# Altium PCB PCB2.PcbDoc
Units mm, origin at the board's own origin, x right, y up, seen from the top; angles counter-clockwise.
Board outline 77.85 x 94.11 mm, 2 copper layers (Top Layer, Bottom Layer); 40 components, 18 nets, 308 pads, 24 vias.
Unrouted connection lines stored in the file: 3.
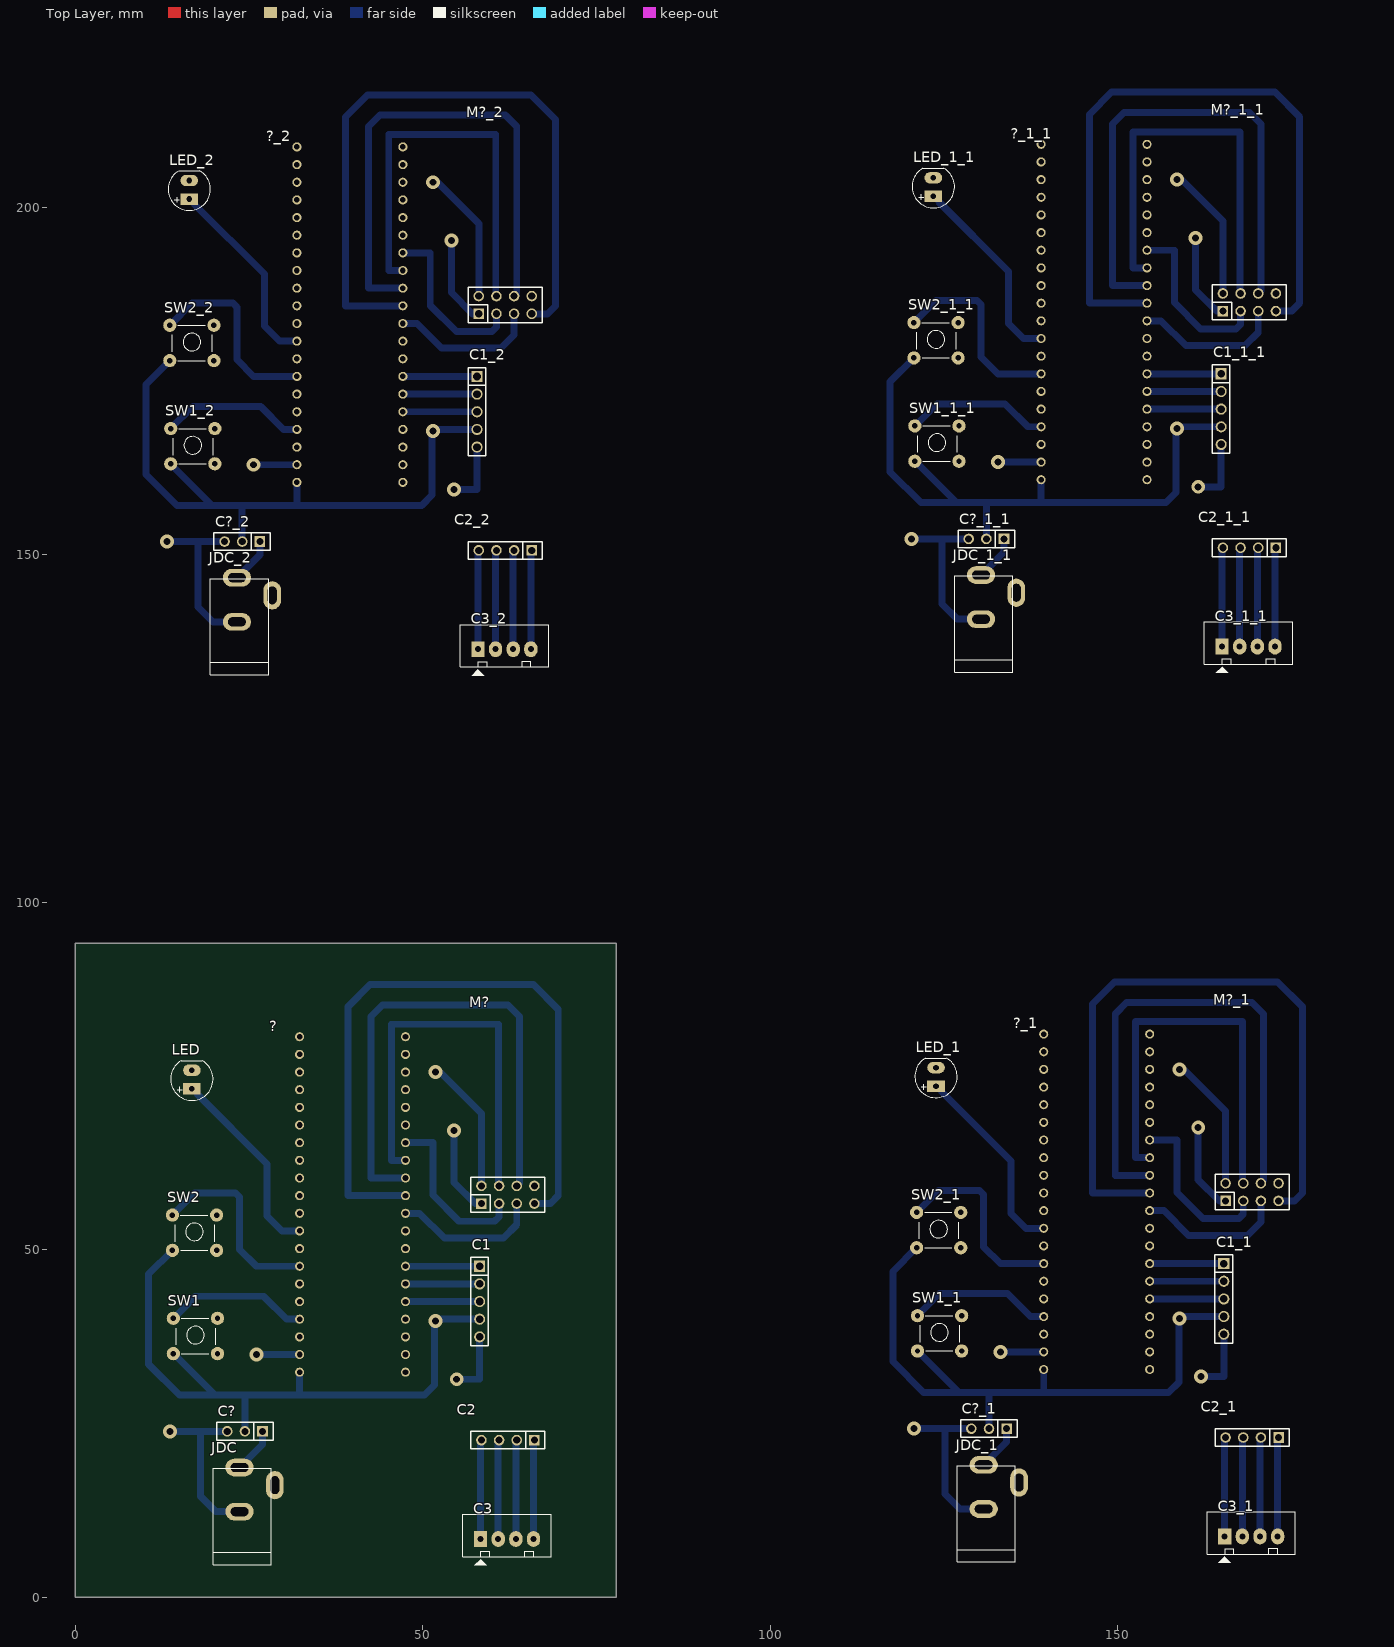
[diagram p0: Top Layer view]
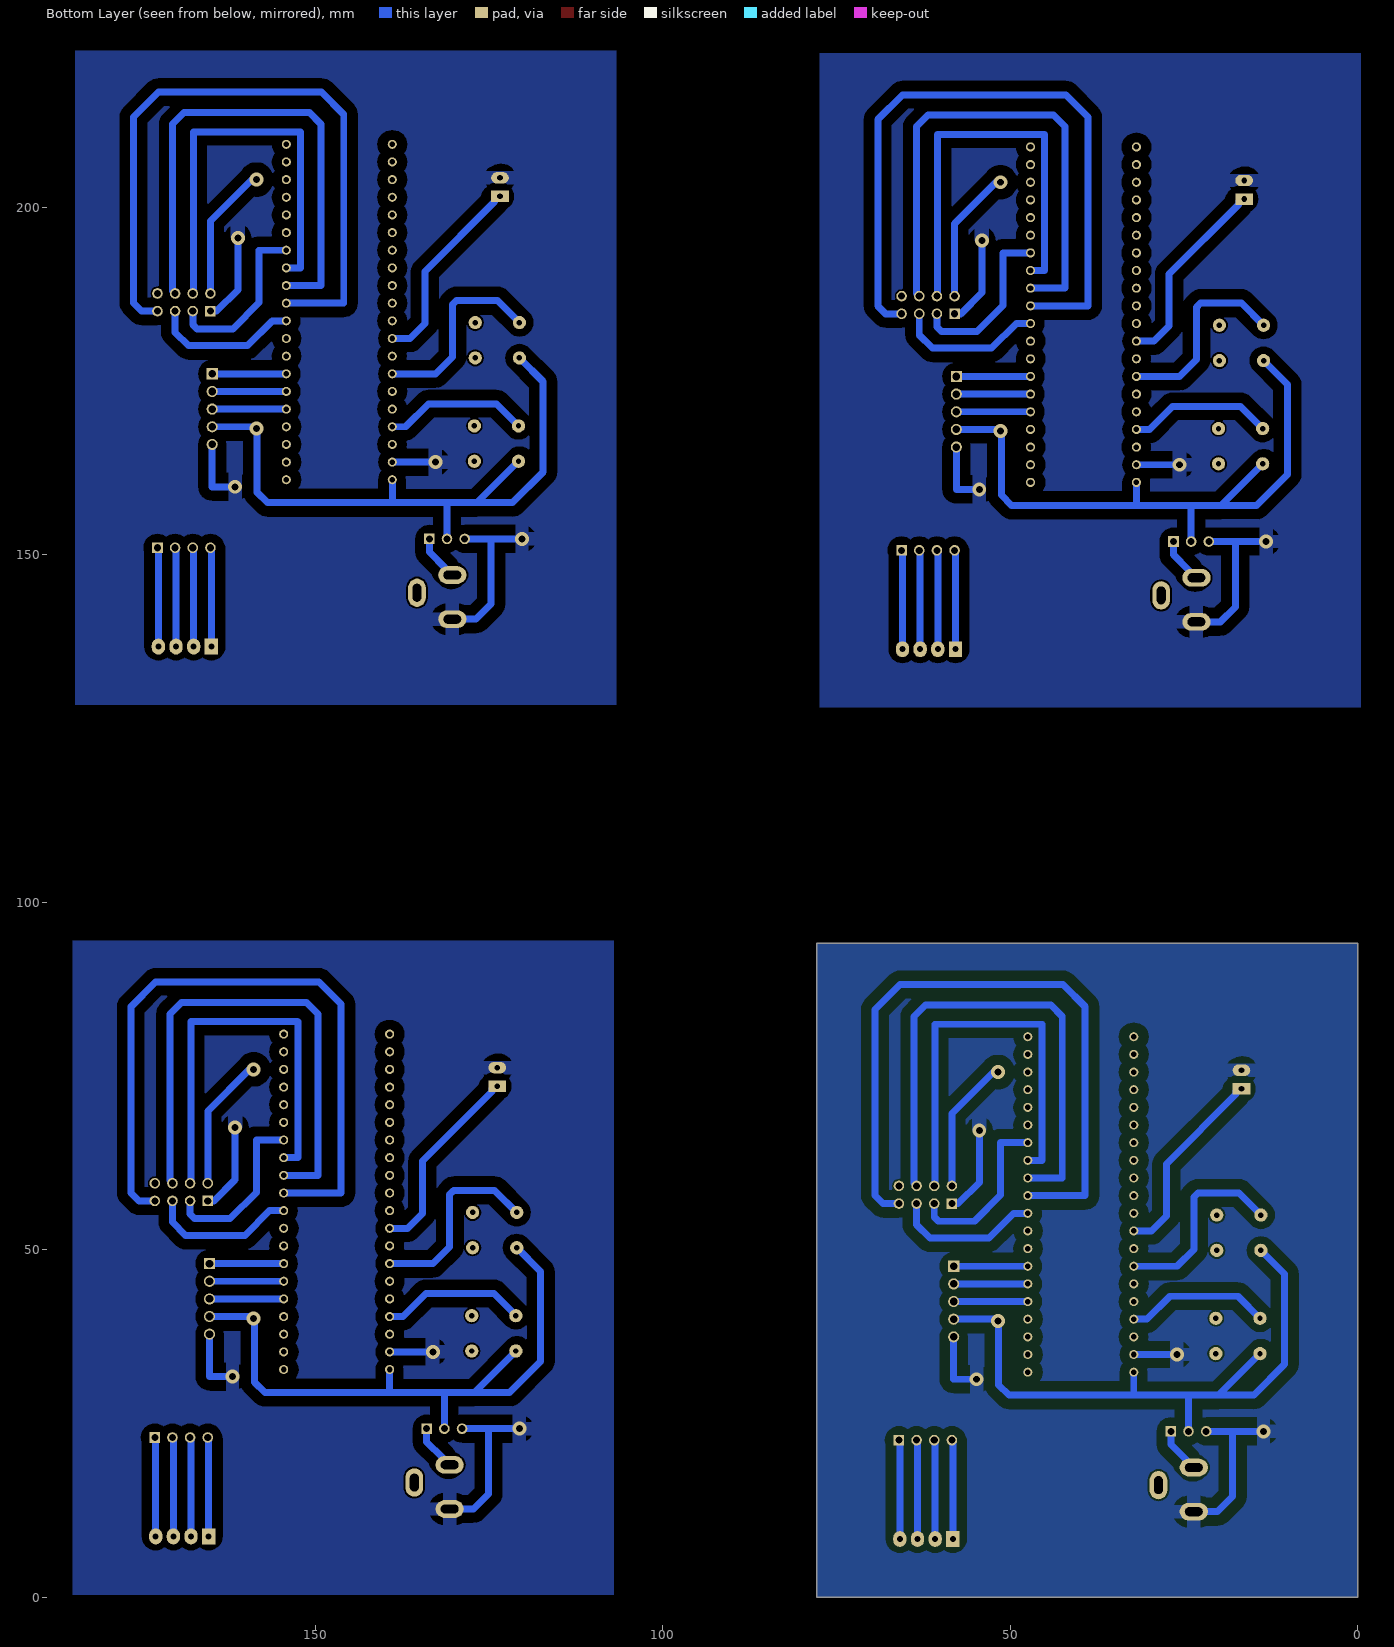
[diagram p1: Bottom Layer view, seen from below]

## Layer stack, top to bottom
Top Solder: solder mask 0.0102, Solder Resist, Dk 3.5
Top Layer: signal copper 0.0356
Dielectric 1: dielectric 0.32, FR-4, Dk 4.8
Bottom Layer: signal copper 0.0356
Bottom Solder: solder mask 0.0102, Solder Resist, Dk 3.5

## Board outline
0,0 77.851,0 77.851,94.107 0,94.107

## Design rules (kind name [scope] priority, off if disabled: settings)
Clearance Clearance_9 [InNamedPolygon('Bottom Layer-No Net')] p1: gap=0.254 ignorepadtopadclearanceinfootprint=FALSE except(0: Arc-Hole Track-Hole SMDPad-Hole THPad-Hole Via-Hole Fill-Hole Poly-Hole Region-Hole Text-Hole; 1.5: Arc-Fill Arc-Poly Arc-Region Track-Fill Track-Poly Track-Region Via-Fill Via-Poly Via-Region Fill-Fill Fill-Poly Fill-Region Poly-Poly Poly-Region Region-Region)
Clearance Clearance_8 [InNamedPolygon('Bottom Layer-No Net')] p2: gap=0.254 ignorepadtopadclearanceinfootprint=FALSE except(0: Arc-Hole Track-Hole SMDPad-Hole THPad-Hole Via-Hole Fill-Hole Poly-Hole Region-Hole Text-Hole; 1.5: Arc-Fill Arc-Poly Arc-Region Track-Fill Track-Poly Track-Region Via-Fill Via-Poly Via-Region Fill-Fill Fill-Poly Fill-Region Poly-Poly Poly-Region Region-Region)
Clearance Clearance_7 [InNamedPolygon('Bottom Layer-No Net')] p3: gap=0.254 ignorepadtopadclearanceinfootprint=FALSE except(0: Arc-Hole Track-Hole SMDPad-Hole THPad-Hole Via-Hole Fill-Hole Poly-Hole Region-Hole Text-Hole; 1.2: Arc-Fill Arc-Poly Arc-Region Track-Fill Track-Poly Track-Region Via-Fill Via-Poly Via-Region Fill-Fill Fill-Poly Fill-Region Poly-Poly Poly-Region Region-Region)
Clearance Clearance_6 [InNamedPolygon('Bottom Layer-No Net')] p4: gap=0.254 ignorepadtopadclearanceinfootprint=FALSE except(0: Arc-Hole Track-Hole SMDPad-Hole THPad-Hole Via-Hole Fill-Hole Poly-Hole Region-Hole Text-Hole; 1.2: Arc-Fill Arc-Poly Arc-Region Track-Fill Track-Poly Track-Region Via-Fill Via-Poly Via-Region Fill-Fill Fill-Poly Fill-Region Poly-Poly Poly-Region Region-Region)
Clearance Clearance_5 [InNamedPolygon('Bottom Layer-No Net')] p5: gap=0.254 ignorepadtopadclearanceinfootprint=FALSE except(0: Arc-Hole Track-Hole SMDPad-Hole THPad-Hole Via-Hole Fill-Hole Poly-Hole Region-Hole Text-Hole; 1: Arc-Fill Arc-Poly Arc-Region Track-Fill Track-Poly Track-Region Via-Fill Via-Poly Via-Region Fill-Fill Fill-Poly Fill-Region Poly-Poly Poly-Region Region-Region)
Clearance Clearance_4 [InNamedPolygon('Bottom Layer-No Net')] p6: gap=0.254 ignorepadtopadclearanceinfootprint=FALSE except(0: Arc-Hole Track-Hole SMDPad-Hole THPad-Hole Via-Hole Fill-Hole Poly-Hole Region-Hole Text-Hole; 1: Arc-Fill Arc-Poly Arc-Region Track-Fill Track-Poly Track-Region Via-Fill Via-Poly Via-Region Fill-Fill Fill-Poly Fill-Region Poly-Poly Poly-Region Region-Region)
Clearance Clearance_3 [InNamedPolygon('Bottom Layer-No Net')] p7: gap=0.254 ignorepadtopadclearanceinfootprint=FALSE except(0: Arc-Hole Track-Hole SMDPad-Hole THPad-Hole Via-Hole Fill-Hole Poly-Hole Region-Hole Text-Hole; 0.7: Arc-Fill Arc-Poly Arc-Region Track-Fill Track-Poly Track-Region Via-Fill Via-Poly Via-Region Fill-Fill Fill-Poly Fill-Region Poly-Poly Poly-Region Region-Region)
Clearance Clearance_2 [InNamedPolygon('Bottom Layer-No Net')] p8: gap=0.254 ignorepadtopadclearanceinfootprint=FALSE except(0: Arc-Hole Track-Hole SMDPad-Hole THPad-Hole Via-Hole Fill-Hole Poly-Hole Region-Hole Text-Hole; 0.5: Arc-Fill Arc-Poly Arc-Region Track-Fill Track-Poly Track-Region Via-Fill Via-Poly Via-Region Fill-Fill Fill-Poly Fill-Region Poly-Poly Poly-Region Region-Region)
Clearance Clearance_1 [InNamedPolygon('Bottom Layer-No Net')] p9: gap=0.254 ignorepadtopadclearanceinfootprint=FALSE except(0: Arc-Hole Track-Hole SMDPad-Hole THPad-Hole Via-Hole Fill-Hole Poly-Hole Region-Hole Text-Hole; 0.5: Arc-Fill Arc-Poly Arc-Region Track-Fill Track-Poly Track-Region Via-Fill Via-Poly Via-Region Fill-Fill Fill-Poly Fill-Region Poly-Poly Poly-Region Region-Region)
Clearance [All] p10: gap=0.254 ignorepadtopadclearanceinfootprint=FALSE except(0: Arc-Hole Track-Hole SMDPad-Hole THPad-Hole Via-Hole Fill-Hole Poly-Hole Region-Hole Text-Hole)
PolygonConnect PolygonConnect_6 [All vs IsNamedPolygon('Bottom Layer-No Net')] p1: connectstyle=Relief reliefconductorwidth=2 reliefentries=4 polygonreliefangle="90 Angle" airgapwidth=1
PolygonConnect PolygonConnect_5 [All vs IsNamedPolygon('Bottom Layer-No Net')] p2: connectstyle=Relief reliefconductorwidth=2 reliefentries=4 polygonreliefangle="90 Angle" airgapwidth=1
PolygonConnect PolygonConnect_4 [All vs IsNamedPolygon('Bottom Layer-No Net')] p3: connectstyle=Relief reliefconductorwidth=2 reliefentries=4 polygonreliefangle="90 Angle" airgapwidth=1
PolygonConnect PolygonConnect_3 [All vs IsNamedPolygon('Bottom Layer-No Net')] p4: connectstyle=Relief reliefconductorwidth=2 reliefentries=4 polygonreliefangle="90 Angle" airgapwidth=1
PolygonConnect PolygonConnect_2 [All vs IsNamedPolygon('Bottom Layer-No Net')] p5: connectstyle=Relief reliefconductorwidth=2 reliefentries=4 polygonreliefangle="90 Angle" airgapwidth=1
PolygonConnect PolygonConnect_1 [All vs IsNamedPolygon('Bottom Layer-No Net')] p6: connectstyle=Relief reliefconductorwidth=2 reliefentries=4 polygonreliefangle="90 Angle" airgapwidth=1
PolygonConnect [All] p7: connectstyle=Relief reliefconductorwidth=0.254 reliefentries=4 polygonreliefangle="90 Angle" airgapwidth=0.254
RoutingVias [All] p1: holewidth=0.711 width=1.27 viastyle="Through Hole" minholewidth=0.711 minwidth=1.27 maxholewidth=0.711 maxwidth=1.27
SolderMaskExpansion [All] p1: expansion=0.102
Width [All] p1: maxlimit=2 minlimit=0.254 preferedwidth=1 toplayer_maxwidth=0.254 toplayer_prefwidth=0.254 bottomlayer_minwidth=0.5 minimp=50.000000 maximp=50.000000 favimp=50.000000
30 further rules are at their usual default settings.

## Classes and differential pairs
component class Sheet2: ? C1 C2 C3 C? JDC LED M? SW1 SW2

## Components (designator, comment, footprint, x,y, rotation, side; value= is the part's Value field where it differs from the comment)
? "BLUE_PILL" BLUE_PILL 39.878,65.405 r0 top
?_1 "BLUE_PILL" BLUE_PILL 146.939,65.786 r0 top (schematic designator ?)
?_1_1 "BLUE_PILL" BLUE_PILL 146.558,193.802 r0 top (schematic designator ?)
?_2 "BLUE_PILL" BLUE_PILL 39.497,193.421 r0 top (schematic designator ?)
C1 "JP5" JP5-D1T 58.166,47.625 r270 top
C1_1 "JP5" JP5-D1T 165.227,48.006 r270 top (schematic designator C1)
C1_1_1 "JP5" JP5-D1T 164.846,176.022 r270 top (schematic designator C1)
C1_2 "JP5" JP5-D1T 57.785,175.641 r270 top (schematic designator C1)
C2 "JP4" JP4-C1T 66.04,22.606 r180 top
C2_1 "JP4" JP4-C1T 173.101,22.987 r180 top (schematic designator C2)
C2_1_1 "JP4" JP4-C1T 172.72,151.003 r180 top (schematic designator C2)
C2_2 "JP4" JP4-C1T 65.659,150.622 r180 top (schematic designator C2)
C3 "Header4" Header4 58.293,8.382 r0 top
C3_1 "Header4" Header4 165.354,8.763 r0 top (schematic designator C3)
C3_1_1 "Header4" Header4 164.973,136.779 r0 top (schematic designator C3)
C3_2 "Header4" Header4 57.912,136.398 r0 top (schematic designator C3)
C? "JP3" JP3-C1T 26.924,23.876 r180 top
C?_1 "JP3" JP3-C1T 133.985,24.257 r180 top (schematic designator C?)
C?_1_1 "JP3" JP3-C1T 133.604,152.273 r180 top (schematic designator C?)
C?_2 "JP3" JP3-C1T 26.543,151.892 r180 top (schematic designator C?)
JDC "Jac DC" DC0 26.162,15.494 r90 top
JDC_1 "Jac DC" DC0 133.223,15.875 r90 top (schematic designator JDC)
JDC_1_1 "Jac DC" DC0 132.842,143.891 r90 top (schematic designator JDC)
JDC_2 "Jac DC" DC0 25.781,143.51 r90 top (schematic designator JDC)
LED "LED" LED-5-Green 16.764,73.279 r90 top value="LED 3 ly Single Colour"
LED_1 "LED" LED-5-Green 123.825,73.66 r90 top value="LED 3 ly Single Colour" (schematic designator LED)
LED_1_1 "LED" LED-5-Green 123.444,201.676 r90 top value="LED 3 ly Single Colour" (schematic designator LED)
LED_2 "LED" LED-5-Green 16.383,201.295 r90 top value="LED 3 ly Single Colour" (schematic designator LED)
M? "NRF24L01" NRF24L01 62.23,57.912 r0 top
M?_1 "NRF24L01" NRF24L01 169.291,58.293 r0 top (schematic designator M?)
M?_1_1 "NRF24L01" NRF24L01 168.91,186.309 r0 top (schematic designator M?)
M?_2 "NRF24L01" NRF24L01 61.849,185.928 r0 top (schematic designator M?)
SW1 "SW" SW2-DIP 14.097,40.132 r0 top value="Button chip 4 pin"
SW1_1 "SW" SW2-DIP 121.158,40.513 r0 top value="Button chip 4 pin" (schematic designator SW1)
SW1_1_1 "SW" SW2-DIP 120.777,168.529 r0 top value="Button chip 4 pin" (schematic designator SW1)
SW1_2 "SW" SW2-DIP 13.716,168.148 r0 top value="Button chip 4 pin" (schematic designator SW1)
SW2 "SW" SW2-DIP 13.97,54.991 r0 top value="Button chip 4 pin"
SW2_1 "SW" SW2-DIP 121.031,55.372 r0 top value="Button chip 4 pin" (schematic designator SW2)
SW2_1_1 "SW" SW2-DIP 120.65,183.388 r0 top value="Button chip 4 pin" (schematic designator SW2)
SW2_2 "SW" SW2-DIP 13.589,183.007 r0 top value="Button chip 4 pin" (schematic designator SW2)

## Footprints (in the part's own frame and the unit in brackets; to place one, negate y for a bottom-side part, rotate by r counter-clockwise, add the part's x,y. Pads: shape width x height; smd on the part's side, far side on the other; paste and mask are expansions set on the pad)
BLUE_PILL [mil]
  round 51.5 / inner round 60 / far side round 51.5 hole 31.5: P$1(-300,600) P$2(-300,500) P$3(-300,400) P$4(-300,300) P$5(-300,200) P$6(-300,100) P$7(-300,0) P$8(-300,-100) P$9(-300,-200) P$10(-300,-300) P$11(-300,-400) P$12(-300,-500) P$13(-300,-600) P$14(-300,-700) P$15(-300,-800) P$16(-300,-900) P$17(-300,-1000) P$18(-300,-1100) P$19(-300,-1200) P$20(-300,-1300) P$21(300,600) P$22(300,500) P$23(300,400) P$24(300,300) P$25(300,200) P$26(300,100) P$27(300,0) P$28(300,-100) P$29(300,-200) P$30(300,-300) P$31(300,-400) P$32(300,-500) P$33(300,-600) P$34(300,-700) P$35(300,-800) P$36(300,-900) P$37(300,-1000) P$38(300,-1100) P$39(300,-1200) P$40(300,-1300)
DC0 [mil] "Jac DC input"
  oval 100x160 hole 50 slot 100 at 90 deg: 1(125,100) 2(-125,100)
  oval 160x100 hole 50 slot 100 at 0 deg: 3(25,-100)
  silkscreen extent -425,-80 120,250, body extent -410,-105 134,269, height 434
Header4 [mil] "CON4"
  rect 75x90 hole 34: 1(0,0)
  oval 75x90 hole 34: 2(100,0) 3(200,0) 4(300,0)
  silkscreen extent -100,-150 400,140, body extent -90,-90 398,136, height 276
JP3-C1T [mm] "3 row, straight, gold plating"
  rect 1.52x1.52 hole 1.02: 1(0,0)
  round 1.52 hole 1.02: 2(2.54,0) 3(5.08,0)
  silkscreen extent -1.52,-1.27 6.6,1.27, body extent -1.52,-1.25 6.6,1.25, height 8.51
JP4-C1T [mm] "4 row, straight, gold plating"
  rect 1.52x1.52 hole 1.02: 1(0,0)
  round 1.52 hole 1.02: 2(2.54,0) 3(5.08,0) 4(7.62,0)
  silkscreen extent -1.52,-1.27 9.14,1.27, body extent -1.52,-1.25 9.14,1.25, height 8.51
JP5-D1T [mm] "5 pins, 1 row, straight, gold plating"
  rect 1.6x1.6 hole 1.1: 1(0,0)
  round 1.6 hole 1.1: 2(2.54,0) 3(5.08,0) 4(7.62,0) 5(10.16,0)
  silkscreen extent -1.27,-1.27 11.43,1.27, body extent -1.27,-1.27 11.43,1.27, height 8.54
LED-5-Green [mil] "LED 2 PIN, 5 ly , Only colour,pin to pin 100mil"
  rect 65x100 hole 32: 1(-5,0)
  oval 65x100 hole 32: 2(100,0)
  silkscreen extent -70,-120 154,120, body extent -69,-120 145,117, height 339
NRF24L01 [mm]
  rect 1.52x1.52 hole 1.02: 1(-3.81,-1.27)
  round 1.52 hole 1.02: 2(-1.27,-1.27) 3(1.27,-1.27) 4(3.81,-1.27) 5(3.81,1.27) 6(1.27,1.27) 7(-1.27,1.27) 8(-3.81,1.27)
  silkscreen extent -5.33,-2.54 5.33,2.54, body extent -5.85,-2.79 9.15,26.21, height 15.4
SW2-DIP [mil] "SW button 4pin, 250 x250 mil"
  round 75 hole 31: 1(0,0) 2(0,-200) 3(250,-200) 4(250,0)
  silkscreen extent 15,-215 240,0, body extent -36,-220 276,24, height 276

## Part data
C1 C1_1 C1_1_1 C1_2: "WR-PHD 2.54 mm Angled Socket Header", Manufacturer="Würth Elektronik eiSos GmbH", partNo=613005143121, ComponentLink1 Description=Manufacturer, ComponentLink1URL=http://www.we-online.com, ComponentLink2 Description=Datasheet, ComponentLink2URL=http://katalog.we-online.de/em/datasheet/6130xx143121.pdf, Created by="Karrer Zheng", Created Date="29 March 2013", NoPins=05
C2 C2_1 C2_1_1 C2_2: "WR-PHD 2.54 mm Angled Socket Header", Manufacturer="Würth Elektronik eiSos GmbH", partNo=613004143121, ComponentLink1 Description=Manufacturer, ComponentLink1URL=http://www.we-online.com, ComponentLink2 Description=Datasheet, ComponentLink2URL=http://katalog.we-online.de/em/datasheet/6130xx143121.pdf, Created by="Karrer Zheng", Created Date="29 March 2013", NoPins=04
C3 C3_1 C3_1_1 C3_2: "Header IDC, 4 x 1 Pin Vertical 2.54mm Pitch (Non-Boxed, Male)", Manufacturer="Würth Elektronik eiSos GmbH", partNo=613002143121, ComponentLink1 Description=Manufacturer, ComponentLink1URL=http://www.we-online.com, ComponentLink2 Description=Datasheet, ComponentLink2URL=http://katalog.we-online.de/em/datasheet/6130xx143121.pdf, Created by="Karrer Zheng", Created Date="29 March 2013", NoPins=02
C? C?_1 C?_1_1 C?_2: "WR-PHD 2.54 mm Angled Socket Header", Manufacturer="Würth Elektronik eiSos GmbH", partNo=613003143121, ComponentLink1 Description=Manufacturer, ComponentLink1URL=http://www.we-online.com, ComponentLink2 Description=Datasheet, ComponentLink2URL=http://katalog.we-online.de/em/datasheet/6130xx143121.pdf, Created by="Karrer Zheng", Created Date="29 March 2013", NoPins=03
JDC JDC_1 JDC_1_1 JDC_2: library part DCIN, "Jac DC input"
LED LED_1 LED_1_1 LED_2: "LED Single colour Green and Red"
SW1 SW1_1 SW1_1_1 SW1_2 SW2 SW2_1 SW2_1_1 SW2_2: library part SW4, "Switch button 4 pin"
? ?_1 ?_1_1 ?_2: DeviceSetName=BLUE_PILL, GateName_1=G$1, LibraryName=BluePill, Package=BLUE_PILL, SymbolName_1=BLUE_PILL

## Via types
v1: diameter 2, hole 1, Top Layer to Bottom Layer, tented both sides, 24 vias

## Nets (pads, with @x,y where several pads share a name; then routed paths per layer and width w, separated by ;. In a path a pad name is that pad's centre, name@x,y a point inside that pad or via, vN(x,y) a via of type N, cw(c..) or ccw(c..) an arc to the next point about the centre after c; other vN are vias at no path point)
GND: ?.P$19 C1.5 C?.3 JDC.2 LED.2 M?.1 | length 52.7
  Bottom Layer w1: v1(13.589,23.876) 18.034,23.876 ; LED.2@16.496,75.819 LED.2 ; C?.3 18.034,23.876 ; JDC.2 20.193,12.319 18.034,14.478 18.034,23.876 ; v1(26.035,34.925) ?.P$19 ; v1(54.483,67.183) 54.483,59.69 57.531,56.642 M?.1 ; v1(54.864,31.369) 58.166,31.369 C1.5
Net?_P$12: ?.P$12 LED.1 | length 28.6
  Bottom Layer w1: LED.1 17.209,73.152 17.534,72.827 17.534,72.382 27.559,62.357 27.559,54.864 29.718,52.705 ?.P$12
Net?_P$14: ?.P$14 SW2.1 | length 28.4
  Bottom Layer w1: SW2.1 17.145,58.166 23.036,58.166 23.622,57.58 23.622,50.038 26.035,47.625 ?.P$14
Net?_P$17: ?.P$17 SW1.1 | length 20.8
  Bottom Layer w1: SW1.1 17.272,43.307 27.051,43.307 30.353,40.005 ?.P$17
Net?_P$20: ?.P$20 C1.4 C?.2 M?.8 SW1.2 SW2.2 | length 114
  Bottom Layer w1: SW1.2@13.934,35.215 SW1.2 20.066,29.083 ; SW2.2 10.541,46.482 10.541,33.528 14.986,29.083 20.066,29.083 ; C?.2 24.384,29.083 ; ?.P$20 32.258,29.083 ; v1(51.816,75.565) 52.451,75.565 58.42,69.596 M?.8 ; C1.4 51.689,40.005 51.689,30.558 50.214,29.083 32.258,29.083 ; 20.066,29.083 24.384,29.083 ; 24.384,29.083 32.258,29.083
  other v1: 51.816,39.751
Net?_P$27: ?.P$27 M?.2 | length 24.7
  Bottom Layer w1: ?.P$27 51.435,65.405 51.435,57.863 55.196,54.102 60.325,54.102 60.96,54.737 M?.2
Net?_P$28: ?.P$28 M?.7 | length 60.3
  Bottom Layer w1: ?.P$28 45.466,62.865 45.466,82.423 45.488,82.445 60.861,82.445 60.861,59.281 M?.7
Net?_P$29: ?.P$29 M?.6 | length 75.4
  Bottom Layer w1: ?.P$29 42.545,60.325 42.545,83.566 44.196,85.217 62.23,85.217 63.881,83.566 63.881,59.563 M?.6
Net?_P$30: ?.P$30 M?.4 | length 99.1
  Bottom Layer w1: ?.P$30 39.243,57.785 39.243,84.963 42.418,88.138 65.913,88.138 69.469,84.582 69.469,57.785 68.326,56.642 M?.4
Net?_P$31: ?.P$31 M?.3 | length 21.3
  Bottom Layer w1: ?.P$31 49.53,55.245 53.086,51.689 61.595,51.689 63.5,53.594 M?.3
Net?_P$34: ?.P$34 C1.1 | length 10.7
  Bottom Layer w1: ?.P$34 C1.1
Net?_P$35: ?.P$35 C1.2 | length 10.7
  Bottom Layer w1: ?.P$35 C1.2
Net?_P$36: ?.P$36 C1.3 | length 10.7
  Bottom Layer w1: ?.P$36 C1.3
NetC2_1: C2.1 C3.4 | length 14.3
  Bottom Layer w1: C3.4 65.913,22.479 C2.1
NetC2_2: C2.2 C3.3 | length 14.3
  Bottom Layer w1: C3.3 63.373,22.338 63.5,22.465 C2.2
NetC2_3: C2.3 C3.2 | length 14.3
  Bottom Layer w1: C3.2 60.833,22.338 60.96,22.465 C2.3
NetC2_4: C2.4 C3.1 | length 14.3
  Bottom Layer w1: C3.1 58.293,22.338 58.42,22.465 C2.4
NetC?_1: C?.1 JDC.1 | length 6.8
  Bottom Layer w1: JDC.1 23.967,18.669 24.679,19.38 24.679,19.726 26.924,21.971 C?.1
pads on no net: ?.P$1 ?.P$2 ?.P$3 ?.P$4 ?.P$5 ?.P$6 ?.P$7 ?.P$8 ?.P$9 ?.P$10 ?.P$11 ?.P$13 ?.P$15 ?.P$16 ?.P$18 ?.P$21 ?.P$22 ?.P$23 ?.P$24 ?.P$25 ?.P$26 ?.P$32 ?.P$33 ?.P$37 ?.P$38 ?.P$39 ?.P$40 ?_1.P$1 ?_1.P$2 ?_1.P$3 ?_1.P$4 ?_1.P$5 ?_1.P$6 ?_1.P$7 ?_1.P$8 ?_1.P$9 ?_1.P$10 ?_1.P$11 ?_1.P$12 ?_1.P$13 ?_1.P$14 ?_1.P$15 ?_1.P$16 ?_1.P$17 ?_1.P$18 ?_1.P$19 ?_1.P$20 ?_1.P$21 ?_1.P$22 ?_1.P$23 ?_1.P$24 ?_1.P$25 ?_1.P$26 ?_1.P$27 ?_1.P$28 ?_1.P$29 ?_1.P$30 ?_1.P$31 ?_1.P$32 ?_1.P$33 ?_1.P$34 ?_1.P$35 ?_1.P$36 ?_1.P$37 ?_1.P$38 ?_1.P$39 ?_1.P$40 ?_1_1.P$1 ?_1_1.P$2 ?_1_1.P$3 ?_1_1.P$4 ?_1_1.P$5 ?_1_1.P$6 ?_1_1.P$7 ?_1_1.P$8 ?_1_1.P$9 ?_1_1.P$10 ?_1_1.P$11 ?_1_1.P$12 ?_1_1.P$13 ?_1_1.P$14 ?_1_1.P$15 ?_1_1.P$16 ?_1_1.P$17 ?_1_1.P$18 ?_1_1.P$19 ?_1_1.P$20 ?_1_1.P$21 ?_1_1.P$22 ?_1_1.P$23 ?_1_1.P$24 ?_1_1.P$25 ?_1_1.P$26 ?_1_1.P$27 ?_1_1.P$28 ?_1_1.P$29 ?_1_1.P$30 ?_1_1.P$31 ?_1_1.P$32 ?_1_1.P$33 ?_1_1.P$34 ?_1_1.P$35 ?_1_1.P$36 ?_1_1.P$37 ?_1_1.P$38 ?_1_1.P$39 ?_1_1.P$40 ?_2.P$1 ?_2.P$2 ?_2.P$3 ?_2.P$4 ?_2.P$5 ?_2.P$6 ?_2.P$7 ?_2.P$8 ?_2.P$9 ?_2.P$10 ?_2.P$11 ?_2.P$12 ?_2.P$13 ?_2.P$14 ?_2.P$15 ?_2.P$16 ?_2.P$17 ?_2.P$18 ?_2.P$19 ?_2.P$20 ?_2.P$21 ?_2.P$22 ?_2.P$23 ?_2.P$24 ?_2.P$25 ?_2.P$26 ?_2.P$27 ?_2.P$28 ?_2.P$29 ?_2.P$30 ?_2.P$31 ?_2.P$32 ?_2.P$33 ?_2.P$34 ?_2.P$35 ?_2.P$36 ?_2.P$37 ?_2.P$38 ?_2.P$39 ?_2.P$40 C1_1.1 C1_1.2 C1_1.3 C1_1.4 C1_1.5 C1_1_1.1 C1_1_1.2 C1_1_1.3 C1_1_1.4 C1_1_1.5 C1_2.1 C1_2.2 C1_2.3 C1_2.4 C1_2.5 C2_1.1 C2_1.2 C2_1.3 C2_1.4 C2_1_1.1 C2_1_1.2 C2_1_1.3 C2_1_1.4 C2_2.1 C2_2.2 C2_2.3 C2_2.4 C3_1.1 C3_1.2 C3_1.3 C3_1.4 C3_1_1.1 C3_1_1.2 C3_1_1.3 C3_1_1.4 C3_2.1 C3_2.2 C3_2.3 C3_2.4 C?_1.1 C?_1.2 C?_1.3 C?_1_1.1 C?_1_1.2 C?_1_1.3 C?_2.1 C?_2.2 C?_2.3 JDC.3 JDC_1.1 JDC_1.2 JDC_1.3 JDC_1_1.1 JDC_1_1.2 JDC_1_1.3 JDC_2.1 JDC_2.2 JDC_2.3 LED_1.1 LED_1.2 LED_1_1.1 LED_1_1.2 LED_2.1 LED_2.2 M?.5 M?_1.1 M?_1.2 M?_1.3 M?_1.4 M?_1.5 M?_1.6 M?_1.7 M?_1.8 M?_1_1.1 M?_1_1.2 M?_1_1.3 M?_1_1.4 M?_1_1.5 M?_1_1.6 M?_1_1.7 M?_1_1.8 M?_2.1 M?_2.2 M?_2.3 M?_2.4 M?_2.5 M?_2.6 M?_2.7 M?_2.8 SW1.3 SW1.4 SW1_1.1 SW1_1.2 SW1_1.3 SW1_1.4 SW1_1_1.1 SW1_1_1.2 SW1_1_1.3 SW1_1_1.4 SW1_2.1 SW1_2.2 SW1_2.3 SW1_2.4 SW2.3 SW2.4 SW2_1.1 SW2_1.2 SW2_1.3 SW2_1.4 SW2_1_1.1 SW2_1_1.2 SW2_1_1.3 SW2_1_1.4 SW2_2.1 SW2_2.2 SW2_2.3 SW2_2.4
copper on no net: | length 1891.6
  Bottom Layer w1: v1(13.208,151.892) 17.653,151.892 ; 13.553,163.231 13.716,163.068 19.685,157.099 ; 13.589,177.927 10.16,174.498 10.16,161.544 14.605,157.099 19.685,157.099 ; 13.589,183.007 16.764,186.182 22.655,186.182 23.241,185.596 23.241,178.054 25.654,175.641 31.877,175.641 ; 13.716,168.148 16.891,171.323 26.67,171.323 29.972,168.021 31.877,168.021 ; 16.115,203.835 16.383,203.835 ; 16.383,201.168 16.828,201.168 17.153,200.843 17.153,200.398 27.178,190.373 27.178,182.88 29.337,180.721 31.877,180.721 ; 21.463,151.892 17.653,151.892 ; 23.241,140.335 19.812,140.335 17.653,142.494 17.653,151.892 ; 23.241,146.685 23.586,146.685 24.298,147.396 24.298,147.742 26.543,149.987 26.543,151.892 ; 24.003,151.892 24.003,157.099 ; v1(25.654,162.941) 31.877,162.941 ; 31.75,165.481 32.004,165.481 ; 31.75,170.561 32.004,170.561 ; 31.75,173.101 32.004,173.101 ; 31.75,178.181 32.004,178.181 ; 31.75,183.261 32.004,183.261 ; 31.75,185.801 32.004,185.801 ; 31.75,188.341 32.004,188.341 ; 31.75,190.881 32.004,190.881 ; 31.75,193.421 32.004,193.421 ; 31.75,195.961 32.004,195.961 ; 31.75,198.501 32.004,198.501 ; 31.75,201.041 32.004,201.041 ; 31.75,203.581 32.004,203.581 ; 31.75,206.121 32.004,206.121 ; 31.75,208.661 32.004,208.661 ; 31.877,160.401 31.877,157.099 ; 32.131,37.465 32.385,37.465 ; 32.131,42.545 32.385,42.545 ; 32.131,45.085 32.385,45.085 ; 32.131,50.165 32.385,50.165 ; 32.131,55.245 32.385,55.245 ; 32.131,57.785 32.385,57.785 ; 32.131,60.325 32.385,60.325 ; 32.131,62.865 32.385,62.865 ; 32.131,65.405 32.385,65.405 ; 32.131,67.945 32.385,67.945 ; 32.131,70.485 32.385,70.485 ; 32.131,73.025 32.385,73.025 ; 32.131,75.565 32.385,75.565 ; 32.131,78.105 32.385,78.105 ; 32.131,80.645 32.385,80.645 ; 46.99,160.401 47.244,160.401 ; 46.99,162.941 47.244,162.941 ; 46.99,165.481 47.244,165.481 ; 46.99,168.021 47.244,168.021 ; 46.99,178.181 47.244,178.181 ; 46.99,180.721 47.244,180.721 ; 46.99,195.961 47.244,195.961 ; 46.99,198.501 47.244,198.501 ; 46.99,201.041 47.244,201.041 ; 46.99,203.581 47.244,203.581 ; 46.99,206.121 47.244,206.121 ; 46.99,208.661 47.244,208.661 ; 47.117,170.561 57.785,170.561 ; 47.117,173.101 57.785,173.101 ; 47.117,175.641 57.785,175.641 ; 47.117,183.261 49.149,183.261 52.705,179.705 61.214,179.705 63.119,181.61 63.119,184.658 ; 47.117,185.801 38.862,185.801 38.862,212.979 42.037,216.154 65.532,216.154 69.088,212.598 69.088,185.801 67.945,184.658 65.659,184.658 ; 47.117,188.341 42.164,188.341 42.164,211.582 43.815,213.233 61.849,213.233 63.5,211.582 63.5,187.579 63.119,187.198 ; 47.117,190.881 45.085,190.881 45.085,210.439 45.107,210.461 60.48,210.461 60.48,187.297 60.579,187.198 ; 47.117,193.421 51.054,193.421 51.054,185.879 54.815,182.118 59.944,182.118 60.579,182.753 60.579,184.658 ; 47.371,32.385 47.625,32.385 ; 47.371,34.925 47.625,34.925 ; 47.371,37.465 47.625,37.465 ; 47.371,40.005 47.625,40.005 ; 47.371,50.165 47.625,50.165 ; 47.371,52.705 47.625,52.705 ; 47.371,67.945 47.625,67.945 ; 47.371,70.485 47.625,70.485 ; 47.371,73.025 47.625,73.025 ; 47.371,75.565 47.625,75.565 ; 47.371,78.105 47.625,78.105 ; 47.371,80.645 47.625,80.645 ; v1(51.435,203.581) 52.07,203.581 58.039,197.612 58.039,187.198 ; v1(54.102,195.199) 54.102,187.706 57.15,184.658 58.039,184.658 ; v1(54.483,159.385) 57.785,159.385 57.785,165.481 ; 57.785,168.021 51.308,168.021 51.308,158.574 49.833,157.099 31.877,157.099 ; 57.912,136.398 57.912,150.354 58.039,150.481 58.039,150.622 ; 60.452,136.398 60.452,150.354 60.579,150.481 60.579,150.622 ; 62.992,136.398 62.992,150.354 63.119,150.481 63.119,150.622 ; 65.532,136.398 65.532,150.495 65.659,150.622 ; v1(120.269,152.273) 124.714,152.273 ; 120.614,163.612 120.777,163.449 126.746,157.48 ; v1(120.65,24.257) 125.095,24.257 ; 120.65,178.308 117.221,174.879 117.221,161.925 121.666,157.48 126.746,157.48 ; 120.65,183.388 123.825,186.563 129.716,186.563 130.302,185.977 130.302,178.435 132.715,176.022 138.938,176.022 ; 120.777,168.529 123.952,171.704 133.731,171.704 137.033,168.402 138.938,168.402 ; 120.995,35.596 121.158,35.433 127.127,29.464 ; 121.031,50.292 117.602,46.863 117.602,33.909 122.047,29.464 127.127,29.464 ; 121.031,55.372 124.206,58.547 130.097,58.547 130.683,57.961 130.683,50.419 133.096,48.006 139.319,48.006 ; 121.158,40.513 124.333,43.688 134.112,43.688 137.414,40.386 139.319,40.386 ; 123.176,204.216 123.444,204.216 ; 123.444,201.549 123.888,201.549 124.214,201.224 124.214,200.779 134.239,190.754 134.239,183.261 136.398,181.102 138.938,181.102 ; 123.557,76.2 123.825,76.2 ; 123.825,73.533 124.269,73.533 124.595,73.208 124.595,72.763 134.62,62.738 134.62,55.245 136.779,53.086 139.319,53.086 ; 128.524,152.273 124.714,152.273 ; 128.905,24.257 125.095,24.257 ; 130.302,140.716 126.873,140.716 124.714,142.875 124.714,152.273 ; 130.302,147.066 130.647,147.066 131.359,147.777 131.359,148.123 133.604,150.368 133.604,152.273 ; 130.683,12.7 127.254,12.7 125.095,14.859 125.095,24.257 ; 130.683,19.05 131.028,19.05 131.74,19.761 131.74,20.107 133.985,22.352 133.985,24.257 ; 131.064,152.273 131.064,157.48 ; 131.445,24.257 131.445,29.464 ; v1(132.715,163.322) 138.938,163.322 ; v1(133.096,35.306) 139.319,35.306 ; 138.811,165.862 139.065,165.862 ; 138.811,170.942 139.065,170.942 ; 138.811,173.482 139.065,173.482 ; 138.811,178.562 139.065,178.562 ; 138.811,183.642 139.065,183.642 ; 138.811,186.182 139.065,186.182 ; 138.811,188.722 139.065,188.722 ; 138.811,191.262 139.065,191.262 ; 138.811,193.802 139.065,193.802 ; 138.811,196.342 139.065,196.342 ; 138.811,198.882 139.065,198.882 ; 138.811,201.422 139.065,201.422 ; 138.811,203.962 139.065,203.962 ; 138.811,206.502 139.065,206.502 ; 138.811,209.042 139.065,209.042 ; 138.938,160.782 138.938,157.48 ; 139.192,37.846 139.446,37.846 ; 139.192,42.926 139.446,42.926 ; 139.192,45.466 139.446,45.466 ; 139.192,50.546 139.446,50.546 ; 139.192,55.626 139.446,55.626 ; 139.192,58.166 139.446,58.166 ; 139.192,60.706 139.446,60.706 ; 139.192,63.246 139.446,63.246 ; 139.192,65.786 139.446,65.786 ; 139.192,68.326 139.446,68.326 ; 139.192,70.866 139.446,70.866 ; 139.192,73.406 139.446,73.406 ; 139.192,75.946 139.446,75.946 ; 139.192,78.486 139.446,78.486 ; 139.192,81.026 139.446,81.026 ; 139.319,32.766 139.319,29.464 ; 154.051,160.782 154.305,160.782 ; 154.051,163.322 154.305,163.322 ; 154.051,165.862 154.305,165.862 ; 154.051,168.402 154.305,168.402 ; 154.051,178.562 154.305,178.562 ; 154.051,181.102 154.305,181.102 ; 154.051,196.342 154.305,196.342 ; 154.051,198.882 154.305,198.882 ; 154.051,201.422 154.305,201.422 ; 154.051,203.962 154.305,203.962 ; 154.051,206.502 154.305,206.502 ; 154.051,209.042 154.305,209.042 ; 154.178,170.942 164.846,170.942 ; 154.178,173.482 164.846,173.482 ; 154.178,176.022 164.846,176.022 ; 154.178,183.642 156.21,183.642 159.766,180.086 168.275,180.086 170.18,181.991 170.18,185.039 ; 154.178,186.182 145.923,186.182 145.923,213.36 149.098,216.535 172.593,216.535 176.149,212.979 176.149,186.182 175.006,185.039 172.72,185.039 ; 154.178,188.722 149.225,188.722 149.225,211.963 150.876,213.614 168.91,213.614 170.561,211.963 170.561,187.96 170.18,187.579 ; 154.178,191.262 152.146,191.262 152.146,210.82 152.168,210.842 167.541,210.842 167.541,187.678 167.64,187.579 ; 154.178,193.802 158.115,193.802 158.115,186.26 161.876,182.499 167.005,182.499 167.64,183.134 167.64,185.039 ; 154.432,32.766 154.686,32.766 ; 154.432,35.306 154.686,35.306 ; 154.432,37.846 154.686,37.846 ; 154.432,40.386 154.686,40.386 ; 154.432,50.546 154.686,50.546 ; 154.432,53.086 154.686,53.086 ; 154.432,68.326 154.686,68.326 ; 154.432,70.866 154.686,70.866 ; 154.432,73.406 154.686,73.406 ; 154.432,75.946 154.686,75.946 ; 154.432,78.486 154.686,78.486 ; 154.432,81.026 154.686,81.026 ; 154.559,42.926 165.227,42.926 ; 154.559,45.466 165.227,45.466 ; 154.559,48.006 165.227,48.006 ; 154.559,55.626 156.591,55.626 160.147,52.07 168.656,52.07 170.561,53.975 170.561,57.023 ; 154.559,58.166 146.304,58.166 146.304,85.344 149.479,88.519 172.974,88.519 176.53,84.963 176.53,58.166 175.387,57.023 173.101,57.023 ; 154.559,60.706 149.606,60.706 149.606,83.947 151.257,85.598 169.291,85.598 170.942,83.947 170.942,59.944 170.561,59.563 ; 154.559,63.246 152.527,63.246 152.527,82.804 152.549,82.826 167.922,82.826 167.922,59.662 168.021,59.563 ; 154.559,65.786 158.496,65.786 158.496,58.244 162.257,54.483 167.386,54.483 168.021,55.118 168.021,57.023 ; v1(158.496,203.962) 159.131,203.962 165.1,197.993 165.1,187.579 ; v1(158.877,75.946) 159.512,75.946 165.481,69.977 165.481,59.563 ; v1(161.163,195.58) 161.163,188.087 164.211,185.039 165.1,185.039 ; v1(161.544,67.564) 161.544,60.071 164.592,57.023 165.481,57.023 ; v1(161.544,159.766) 164.846,159.766 164.846,165.862 ; v1(161.925,31.75) 165.227,31.75 165.227,37.846 ; 164.846,168.402 158.369,168.402 158.369,158.955 156.894,157.48 138.938,157.48 ; 164.973,136.779 164.973,150.735 165.1,150.862 165.1,151.003 ; 165.227,40.386 158.75,40.386 158.75,30.939 157.275,29.464 139.319,29.464 ; 165.354,8.763 165.354,22.719 165.481,22.846 165.481,22.987 ; 167.513,136.779 167.513,150.735 167.64,150.862 167.64,151.003 ; 167.894,8.763 167.894,22.719 168.021,22.846 168.021,22.987 ; 170.053,136.779 170.053,150.735 170.18,150.862 170.18,151.003 ; 170.434,8.763 170.434,22.719 170.561,22.846 170.561,22.987 ; 172.593,136.779 172.593,150.876 172.72,151.003 ; 172.974,8.763 172.974,22.86 173.101,22.987 ; 19.685,157.099 24.003,157.099 ; 24.003,157.099 31.877,157.099 ; 126.746,157.48 131.064,157.48 ; 127.127,29.464 131.445,29.464 ; 131.064,157.48 138.938,157.48 ; 131.445,29.464 139.319,29.464
  other v1: 158.877,40.132 51.435,167.767 158.496,168.148

## Polygon pours and split planes (outlines as drawn)
no net on Bottom Layer "Bottom Layer-No Net" (solid, pour order 38): -0.381,128.016 77.47,128.016 77.47,222.123 -0.381,222.123
no net on Bottom Layer "Bottom Layer-No Net" (solid, pour order 36): 106.68,128.397 184.531,128.397 184.531,222.504 106.68,222.504
no net on Bottom Layer "Bottom Layer-No Net" (solid, pour order 34): 107.061,0.381 184.912,0.381 184.912,94.488 107.061,94.488
GND on Bottom Layer "Bottom Layer-No Net" (solid, pour order 18): 0,0 77.851,0 77.851,94.107 0,94.107